# Altium PCB блок вычислительный_v1.PcbDoc (part 2 of 2)
Units mm, origin at the board's own origin, x right, y up, seen from the top; angles counter-clockwise.
Board outline 194 x 260 mm, 6 copper layers (Component Side, Internal Plane 1, int1, int2, Internal Plane 2, Bottom Layer), stack 1.48 mm thick; 497 components, 363 nets, 1593 pads, 108 vias.
Unrouted connection lines stored in the file: 717.
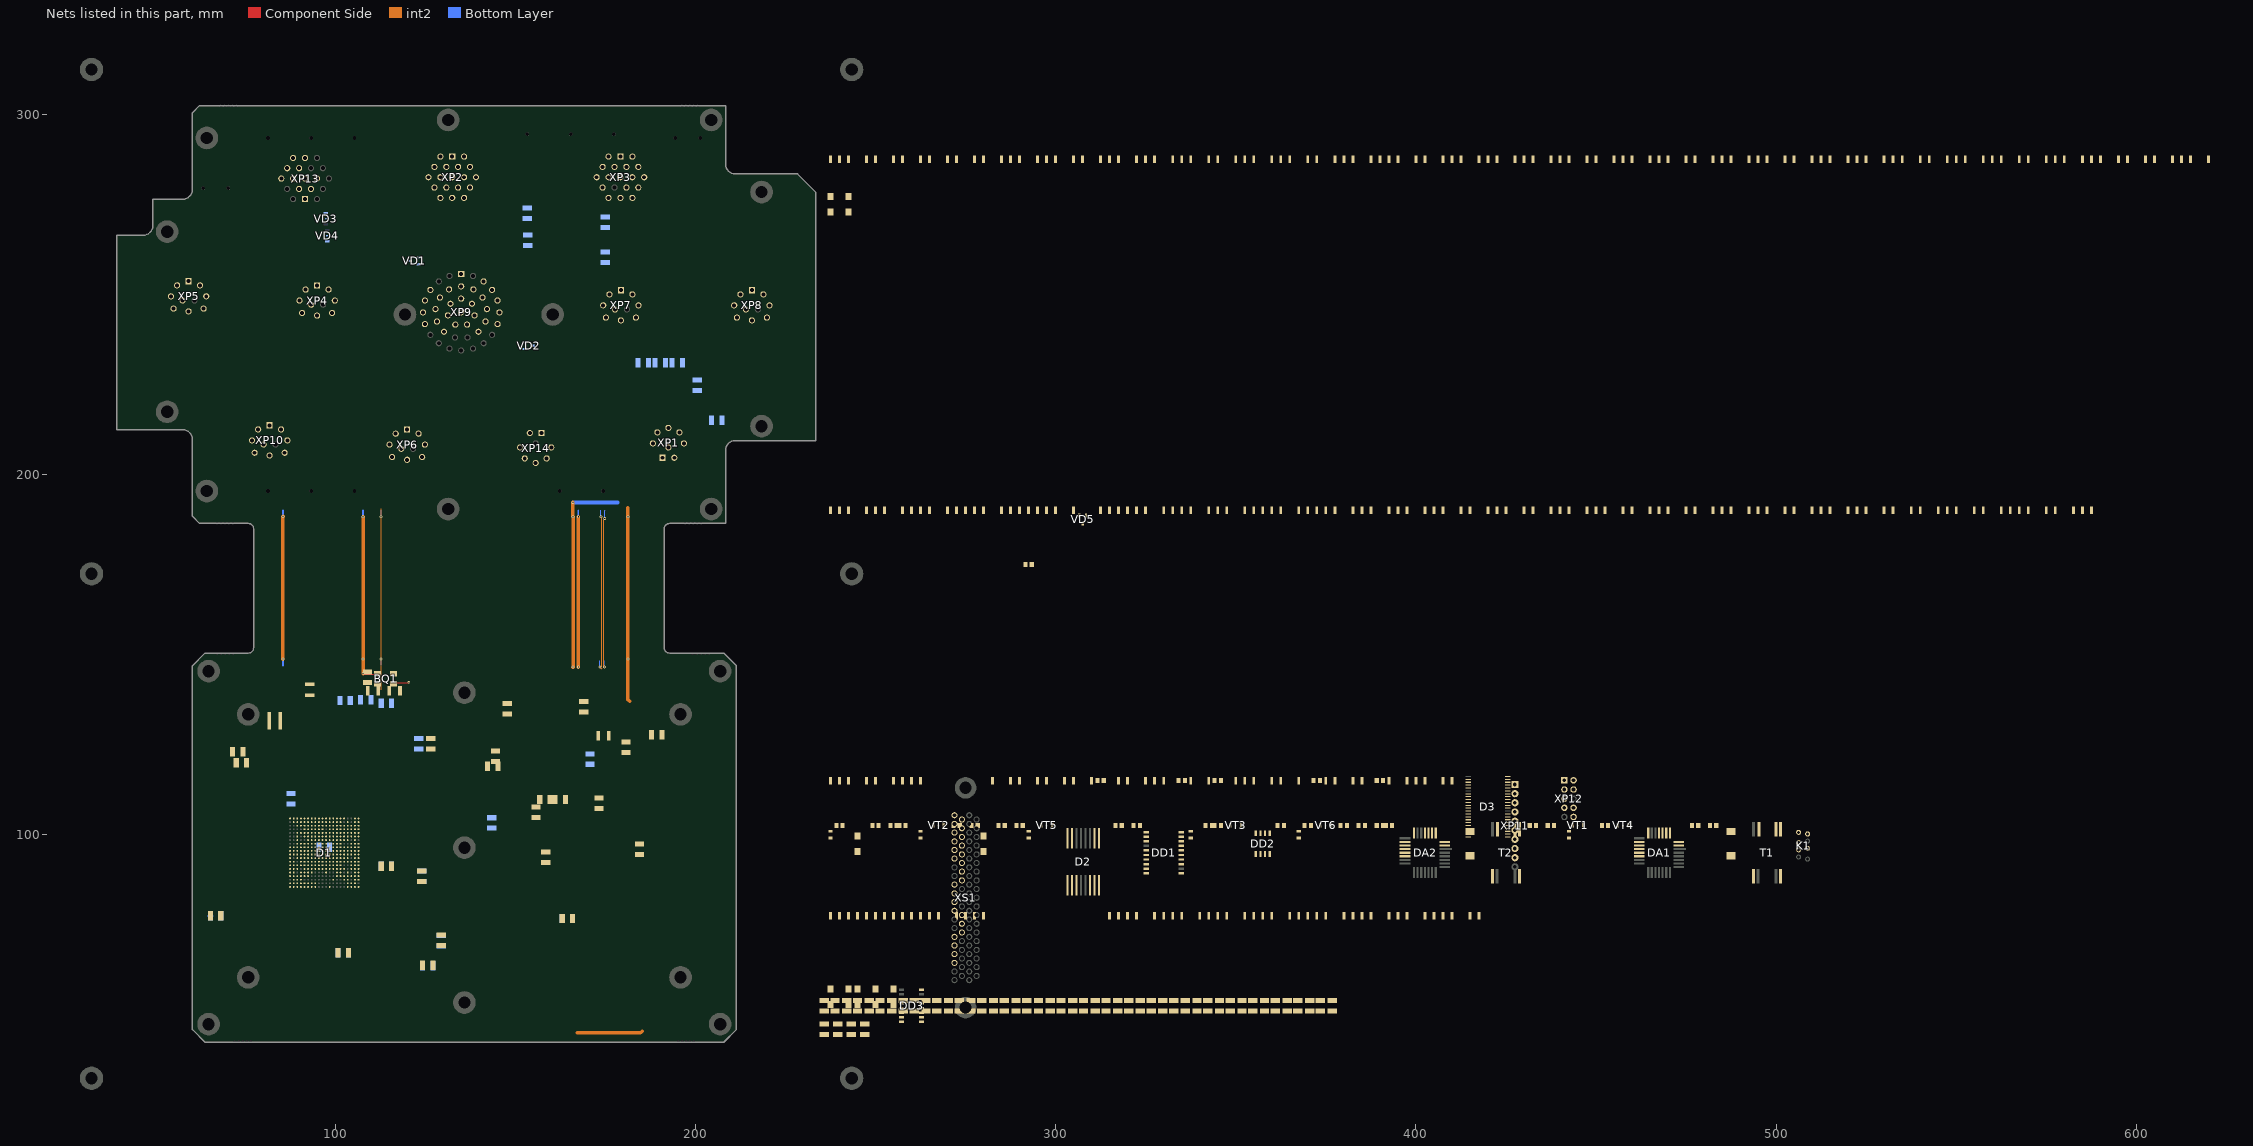
[diagram p6: the nets of this part, all layers, seen from the top]

## Part data
BQ1: library part РК463-5ДС, "Кварцевый резонатор", PartNumber="Резонатор РК463-5ДС-16,0М", TU=ТУ6321-011-07604008-07, TUHolder="\"Пьезотрон\"", TypePrefix=BQ
C1 C2: library part К53-67, "Оксидно-полупроводниковый танталовый чип-конденсатор серии К53-68", PartNumber="К53-67 \"*\"-* В-* мкФ ±*%", TU="АЖЯР.673546.006 ТУ", TUHolder="ОАО НИИ \"ГИРИКОНД\"", TypePrefix=C
C3 C4 C5 C6 C7 C8 C9 C10 C11 C12 C13 C14 C15 C16 C17 C18 C19 C20 C21 C22 C23 C24 C25 C26 C27 C29 C30 C31 C32 C33 C34 C35 C36 C37 C38 C39 C40 C41 C42 C43 C45 C46 C47 C48 C49 C50 C51 C52 C53 C54 C55 C56 C57 C58 C59 C60 C61 C62 C63 C64 C65 C66 C67 C68 C69 C70 C71 C72 C73 C74 C75 C76 C77 C78 C79 C80 C81 C82 C83 C84 C85 C86 C87 C88 C89 C90 C91 C92 C93 C94 C95 C97 C104 C105 C107: library part К10-69в-3225_0.1mk, "Конденсатор неполярный"
C28 C44: library part К10-69в-3225_15p, "Конденсатор неполярный"
C96 C98 C99 C112: library part К10-69_0.1mk, "Керамический чип-конденсатор серии К10-79", PartNumber="К10-69в-*-* В- * ± *% *", TU=АЖЯР.673511.002ТУ, TUHolder="ОАО НИИ \"ГИРИКОНД\"", TypePrefix=C
C100 C101: library part К53-68E, "Конденсатор полярный"
C102 C103: library part К10-69_0.01p, "Керамический чип-конденсатор серии К10-79", PartNumber="К10-69в-*-* В- * ± *% *", TU=АЖЯР.673511.002ТУ, TUHolder="ОАО НИИ \"ГИРИКОНД\"", TypePrefix=C
C106 C108: library part К53-68B, "Конденсатор /  полярный"
C109 C110 C111 C113 C114: library part К53-68B_0.1mk, "Конденсатор /  полярный", PartNumber="К53-68 \"C\" - 25В - 4.7мкФ ±10%", Prefix=C, TU=АЖЯР.673546.007, TUHolder="ОАО \"Элеконд\", Россия, г.Сарапул", TypePrefix=Конденсатор
D1: "МК 1921ВК028", PartNumber=1921ВК028, Prefix=D, TU=АЕНВ.431290.444ТУ, TUHolder="АО «НИИЭТ», Россия, г.Воронеж", TypeName="Микросхемы интегральные", TypePrefix=Микроконтроллер
D2: "Два селектор-мультиплексора 4-1", PackegeType=402.16-32, PartNumber=1554КП12ТБ, TU=АЕЯР.431200.182-15ТУ, TUHolder="\"Интеграл\"", TypePrefix=D
D3: "СОЗУ CY62136EV30 256КБ", PartNumber=CY62136EV30, Prefix=D, TUHolder="\"Cypress Semiconductor\",США", TypePrefix="Статическая память"
DA1 DA2: "МКИО приемопередатчик 5559ИН13Т", PartNumber=5559ИН13У1, Prefix=DA, TipeName=Приемопередатчики, TU=АЕЯР.431230.591ТУ, TUHolder="ОАО НПО \"Физика\",Россия, г. Москва", TypePrefix="Приемопердатчик МКИО"
DD1: "Микросборка CAN с гальванической развязкой", PartNumber=ADM3053BRWZ-REEL7_1, Prefix=DD, TUHolder="Analog Devices, США", TypeName=Приемопередатчики, TypePrefix=Приемопередатчик
DD2: "CAN Приемопередатчик  ILA82C251D", PartNumber=ILA82C251D, Prefix=DD, TipeName=Приемопередатчики, TUHolder="ОАО \"ИНТЕГРАЛ\", Республика Беларусь, г.Минск", TypePrefix="Приемопередатик CAN"
DD3: "RS-232 Приемопередатчик ILX3232", PartNumber=ILX3232, Prefix=DD, TUHolder="ОАО \"ИНТЕГРАЛ\", Республика Беларусь, г.Минск", TypeName=Приемопередатчики, TypePrefix="Приемопередатчик RS-232"
N1 N2 N3 N4 N5 N6 N7 N8 N9 N10 N11 N12 N13 N14 N15 N16 N17 N18 N19 N20 N21 N22 N23 N24 N25 N26 N27 N28 N29 N30 N31 N32 N33 N34 N35 N36 N37 N38 N39 N40 N41 N42 N43 N44 N45 N46 N47 N48 N49 N50 N51 N52 N53 N54 N55 N56 N57 N58 N59 N60 N61 N62 N63 N64 N65 N66 N67 N68 N69 N70 N71 N72 N73 N74 N75 N76 N77 N78 N79 N80 N81 N82 X1 X2 X3 X4 X5 X6 X7 X8 X9 X10 X11 X12 X13 X14 X15 X16 X17 X18 X19 X20 X21 X22 X23 X24 X25 X26 X27 X28 X29 X30 X31 X32 X33 X34 X35 X36 X37 X38 X39 X40 X41 X42 X43 X44 X45 X46 X47 X48 X49 X50 X51 X52 X53 X54 X55 X56 X57 X58 X59 X60 X61 X62 X63 X64 X65 X66 X67 X68 X69 X70 X71 X72 X73 X74 X75 X76 X77 X78 X79 X80 X81 X82 X83 X84 X85 X86 X87 X88 X89 X90 X91 X92 X93 X94 X95 X96 X97 X98 X99 X100 X101 X102 X103 X104 X105 X106 X107 X108 X109 X110 X111 X112 X113 X114 X115 X116 X117 X118 X119 X120 X121 X122 X123 X124 X125 X126 X127 X128 X129 X130 X131 X132 X133 X134 X135 X136 X137 X138 X139 X140 X141 X142 X143 X144 X145 X146 X147 X148 X149 X150 X151 X152 X153 X154 X155 X156 X157 X158 X159 X160 X161 X162 X163 X164 X165 X166 X167 X168 X169 X170 X171 X172 X173 X174 X175 X176 X177 X178 X179 X180 X181 X182 X183 X184 X185 X186 X187 X188 X189 X190 X191 X192 X193 X194 X195 X196 X197 X198 X199 X200 X201 X202 X203 X204 X205 X206 X207 X208 X209 X210 X211 X212 X213 X214 X215 X216 X217 X218 X219 X220 X221 X222 X223 X224 X225 X226 X227 X228: "CONT1_SMD", PartNumber="контактное поле"
R1 R2: library part Р1-12-0,5, "Резистор постоянный"
R3: library part Р1-12-0,125, "Резистор постоянный"
R4 R5 R6 R7: library part Р1-12-0,5_56, "Резистор постоянный"
R8 R9 R10 R11 R12 R13 R14 R15 R16 R17 R18 R19 R20 R21 R22 R23 R24 R25 R26 R27 R28 R29 R30 R31 R32 R33 R34: library part Р1-12_47k, "Постоянные непроволочные безвыводные резисторы общего применения Р1-12", PartNumber=Р1-12-*-*±*%-*, TU="АЛЯР.434110.005 ТУ", TUHolder="ЗАО \"РЕОМ\"", TypePrefix=R
R35: library part Р1-12_10k, "Постоянные непроволочные безвыводные резисторы общего применения Р1-12", PartNumber=Р1-12-*-*±*%-*, TU="АЛЯР.434110.005 ТУ", TUHolder="ЗАО \"РЕОМ\"", TypePrefix=R
VD1 VD2 VD5: "2Д707АС9 диод импульсный", PartNumber=2Д707АС9, TU=аА0.339.583ТУ, TUHolder="ООО \"НПК ДАЛЕКС\"", TypePrefix=VD
VD3 VD4: "Диод Шоттки", PackegeType=КТ-99-1, PartNumber=2ДШ2123Г95, TU=АЕЯР.432120.567ТУ, TUHolder="ОА ВЗПП-С", TypePrefix=VD
VT1 VT2 VT3: "npn кремниевый транзистор", PackegeType=КТ-47, PartNumber=2T665A9, TU=аА0.339.559ТУ, TUHolder="ЗАО \"Группа Кремний Эл\"", TypePrefix=Транзистор
VT4 VT5 VT6: "pnp кремниевый транзистор", PackegeType=КТ-47, PartNumber=2T664A9, TU=аА0.339.559ТУ, TUHolder="ЗАО \"Группа Кремний Эл\"", TypePrefix=Транзистор
XP1 XP14: "ВИЛКА СНЦ144-8 СОСТАВНАЯ", PartNumber=СНЦ144-8/13ВП21-NWПС, TU=ЦСНК.430421.008ТУ, TUHolder="ОАО 'Уральский завод электрических соединителей 'ИСЕТЬ', Россия, г. Каменск-Уральский", TypePrefix="Изделия соеденительные"
XP2 XP3 XP13: "ВИЛКА СНЦ144-19 СОСТАВНАЯ", PartNumber=СНЦ144-19/15ВП21-NWПС, TU=ЦСНК.430421.008ТУ, TUHolder="ОАО 'Уральский завод электрических соединителей 'ИСЕТЬ', Россия, г. Каменск-Уральский", TypePrefix="Изделия соеденительные"
XP4 XP5 XP6 XP7 XP8 XP10: "ВИЛКА СНЦ144-10 СОСТАВНАЯ", PartNumber=СНЦ144-10/13ВП21-NWПС, TU=ЦСНК.430421.008ТУ, TUHolder="ОАО 'Уральский завод электрических соединителей 'ИСЕТЬ', Россия, г. Каменск-Уральский", TypePrefix="Изделия соеденительные"
XP9: "ВИЛКА СНЦ144-41 СОСТАВНАЯ", PartNumber=СНЦ144-41/21ВП21-NWПС, TU=ЦСНК.430421.008ТУ, TUHolder="ОАО 'Уральский завод электрических соединителей 'ИСЕТЬ', Россия, г. Каменск-Уральский", TypePrefix="Изделия соеденительные"
Т1 Т2: library part ТИЛ6В, "Трансформатор для ГОСТ Р 52070-2003"
K1: TU=РВИМ.647611.008ТУ
XP12: TU=РЮМК.430420.011ТУ

## Free pads (board coordinates)
  round 6.3 hole 3.4: 1(53.375,217.4) 1(53.375,267.4) 1(64.375,195.4) 1(64.375,293.4) 1(64.875,47.4) 1(64.875,145.4) 1(75.875,60.4) 1(75.875,133.4) 1(119.375,244.4) 1(131.375,190.4) 1(131.375,298.4) 1(135.875,53.4) 1(135.875,96.4) 1(135.875,139.4) 1(160.375,244.4) 1(195.875,60.4) 1(195.875,133.4) 1(204.375,190.4) 1(204.375,298.4) 1(206.875,47.4) 1(206.875,145.4) 1(218.375,213.4) 1(218.375,278.4)
  round 1 hole 1: 1(63.375,279.4) 1(70.375,279.4) 1(81.375,195.4) 1(81.375,293.4) 1(93.375,195.4) 1(93.375,293.4) 1(105.375,195.4) 1(105.375,293.4) 1(153.375,294.4) 1(162.375,195.4) 1(165.375,294.4) 1(174.375,195.4) 1(177.375,294.4) 1(194.375,293.4) 1(201.375,293.4)
  round 6.5 hole 3.4: 2(32.375,32.4) 2(32.375,172.4) 2(32.375,312.4) 2(243.375,32.4) 2(243.375,172.4) 2(243.375,312.4)
  round 0.7 hole 0.7 unplated: 3(67.2,150.3) 3(67.2,186.5) 3(68.2,302.3) 3(68.3,150.3) 3(68.3,186.5) 3(69.3,302.3) 3(69.4,150.3) 3(69.4,186.5) 3(70.4,302.3) 3(70.5,150.3) 3(70.5,186.5) 3(71.5,302.3) 3(71.6,150.3) 3(71.6,186.5) 3(72.2,42.5) 3(72.6,302.3) 3(73.3,42.5) 3(74.4,42.5) 3(75.5,42.5) 3(76.6,42.5) 3(195.2,42.5) 3(196.2,302.3) 3(196.3,42.5) 3(197.2,186.5) 3(197.3,302.3) 3(197.4,42.5) 3(198.3,186.5) 3(198.4,302.3) 3(198.5,42.5) 3(199.2,150.3) 3(199.4,186.5) 3(199.5,302.3) 3(199.6,42.5) 3(200.3,150.3) 3(200.5,186.5) 3(200.6,302.3) 3(201.4,150.3) 3(201.6,186.5) 3(202.5,150.3) 3(203.6,150.3)

## Via types
v1: diameter 0.8, hole 0.3, Component Side to Bottom Layer, 86 vias
v2: diameter 0.7, hole 0.2, Component Side to Bottom Layer, 22 vias

## Nets (pads, with @x,y where several pads share a name; then routed paths per layer and width w, separated by ;. In a path a pad name is that pad's centre, name@x,y a point inside that pad or via, vN(x,y) a via of type N, cw(c..) or ccw(c..) an arc to the next point about the centre after c; other vN are vias at no path point)
+1.2V: C1.1 C3.1 C5.1 C6.1 C8.1 C9.1 C11.1 C12.1 C14.1 C15.1 C17.1 C18.1 C20.1 C21.1 C23.1 C24.1 C26.1 C27.1 C30.1 C31.1 C33.1 C34.1 C36.1 C37.1 C39.1 C40.1 C42.1 C45.1 C47.1 C49.1 C52.1 C55.1 C58.1 C61.1 C64.1 C67.1 C70.1 C73.1 C76.1 C79.1 C82.1 C85.1 C88.1 C91.1 C94.1 D1.B19 D1.C12 D1.C15 D1.C17 D1.E3 D1.E16 D1.E18 D1.F5 D1.H10 D1.H11 D1.H12 D1.H13 D1.J8 D1.J10 D1.J12 D1.J13 D1.K8 D1.K12 D1.K13 D1.K14 D1.L7 D1.L8 D1.L9 D1.L13 D1.M8 D1.M9 D1.M11 D1.M12 D1.M13 D1.N8 D1.N9 D1.N10 D1.N11 D1.N12 D1.N13 D1.N18 D1.R5 D1.R11 D1.S3 D1.S5 D1.S6 D1.S18 D1.T16 D1.U19 XP11.5 | length 1.6
  Bottom Layer w0.2: 64.525,77.475 66.125,77.475 66.15,77.5
+3.3V: C2.1 C4.1 C7.1 C10.1 C13.1 C16.1 C19.1 C22.1 C25.1 C29.1 C32.1 C35.1 C38.1 C41.1 C43.1 C46.1 C48.1 C50.1 C51.1 C53.1 C54.1 C56.1 C57.1 C59.1 C60.1 C62.1 C63.1 C65.1 C66.1 C68.1 C69.1 C71.1 C72.1 C74.1 C75.1 C77.1 C78.1 C80.1 C81.1 C83.1 C84.1 C86.1 C87.1 C89.1 C90.1 C92.1 C93.1 C95.1 C97.1 C102.2 C109.1 C112.1 C114.1 D1.C4 D1.C11 D1.C13 D1.C18 D1.D13 D1.D15 D1.E4 D1.E13 D1.E15 D1.E17 D1.F6 D1.F12 D1.F13 D1.F14 D1.F15 D1.G6 D1.G15 D1.H6 D1.H7 D1.H15 D1.J6 D1.J15 D1.J18 D1.K6 D1.K15 D1.L6 D1.L15 D1.M6 D1.M15 D1.N6 D1.N15 D1.P6 D1.P15 D1.Q6 D1.Q7 D1.Q8 D1.Q9 D1.Q10 D1.Q11 D1.Q12 D1.Q13 D1.Q14 D1.Q15 D1.R4 D1.R17 D1.T4 D1.T17 D2.16 D3.11 D3.33 DD1.6 DD3.16 N61.1 N62.1 R30.2 R31.2 R32.2 R33.2 R34.2 R35.2 XP11.6 XP12.7 XS1.10
+5V: C96.1 C98.1 C99.1 C100.1 C101.1 C104.1 C106.1 DA1.10 DA2.10 DD1.8 DD2.3 DD2.5 N55.1 N56.1 R1.1 R2.1 XP11.7 | length 57
  int2 w1: 181.25,190.75 v1(181.25,188.25) v1(181.25,148.75) 181.25,137.5 181.75,137
  Bottom Layer w0.5: 181.25,147.5 v1(181.25,148.75) ; v1(181.25,188.25) 181.25,190
+5VETH: N59.1 N60.1 XP11.9
+5VGD: C103.1 C105.1 C107.1 C108.1 DD1.12 DD1.19 N57.1 N58.1 XP11.8 | length 45.3
  int2 w1: v1(167.5,146.5) v1(167.5,188.25)
  Bottom Layer w0.5: v1(167.5,146.5) 167.5,148.25 ; v1(167.5,188.25) 167.5,190
+27_BU_OUT: N53.1 N54.1 VD2.3 XP11.2
+27V_BU1-1: X191.1 XP9.D
+27V_BU1-2: X192.1 XP9.E
+27V_BU1-3: X193.1 XP9.F
+27V_BU2-1: X181.1 XP9.Z
+27V_BU2-2: X182.1 XP9.mm
+27V_BU2-3: X183.1 XP9.tt
+27V_BU3-1: X196.1 XP9.S
+27V_BU3-2: X197.1 XP9.T
+27V_BU3-3: X198.1 XP9.U
+27V_BU4-1: X186.1 XP9.ii
+27V_BU4-2: X187.1 XP9.kk
+27V_BU4-3: X188.1 XP9.ss
+27V_KMPOU-K: VD5.2 X167.1 XP13.P
+27V_KMPOU-K1: X168.1 XP2.N
+27V_KMPOU-K2: X169.1 XP2.V
+27V_KMPOU-N: VD5.1 X164.1 XP13.A
+27V_KMPOU-N1: X165.1 XP3.N
+27V_KMPOU-N2: X166.1 XP3.V
+27V_UV-K1: X199.1 XP2.A
+27V_UV-K2: X200.1 XP2.P
+27V_UV-N1: X194.1 XP3.A
+27V_UV-N2: X195.1 XP3.P
+27V_VM-K1: X189.1 XP2.C
+27V_VM-K2: X190.1 XP2.L
+27V_VM-N1: X184.1 XP3.C
+27V_VM-N2: X185.1 XP3.L
-27V_BU1-1: X217.1 XP9.aa
-27V_BU1-2: X218.1 XP9.nn
-27V_BU1-3: X219.1 XP9.pp
-27V_BU2-1: X207.1 XP9.G
-27V_BU2-2: X208.1 XP9.bb
-27V_BU2-3: X209.1 XP9.cc
-27V_BU3-1: X221.1 XP9.hh
-27V_BU3-2: X222.1 XP9.qq
-27V_BU3-3: X223.1 XP9.rr
-27V_BU4-1: X212.1 XP9.R
-27V_BU4-2: X213.1 XP9.ff
-27V_BU4-3: X214.1 XP9.gg
-27V_KMPOU-K: X206.1 XP13.R
-27V_KMPOU-N: X205.1 XP13.U
-27V_UV-K1: X224.1 XP2.G
-27V_UV-N: X220.1 XP3.G
-27V_VM-K1: X215.1 XP2.R
-27V_VM-K2: X216.1 XP2.U
-27V_VM-N1: X210.1 XP3.R
-27V_VM-N2: X211.1 XP3.U
\BHE: D1.T13 D3.40
\BLE: D1.V12 D3.39
\CE: D1.V8 D2.7 D3.6
\OE: D1.V17 D3.41
\WE: D1.U17 D3.17
BOOT0: D1.P3 N23.1 N24.1 R12.2 R13.2 XS1.17
BOOT1: D1.P4 N25.1 N26.1 R14.2 XS1.18
Button_pin: N13.1 N14.1 R12.1
CAN0_RX: D1.J5 DD2.4
CAN0_TX: D1.H3 DD2.1
CAN1_RX: D1.J2 DD1.4
CAN1_TX: D1.J4 DD1.5
CAN-GND_SEG2: XP2.J XP3.E
CAN-H: DD2.7 N15.1 N16.1 XP1.G XP3.K XS1.15
CAN-H_SEG1: XP2.F XP13.F
CAN-H_SEG2: XP2.K XP3.F
CAN-L: DD2.6 N17.1 N18.1 XP1.A XP3.H XS1.16
CAN-L_SEG1: XP2.D XP13.D
CAN-L_SEG2: XP2.H XP3.D
CAN_GND_SEG1: XP2.E XP13.E
CANOPEN-H: DD1.17 N19.1 N20.1 XP14.B XP14.E | length 46.3
  int2 w0.2: v1(173.5,146.5) 174,146 ; v1@173.75,146.5 174,146.75 174,188.25 v1(173.75,188.25)
  Bottom Layer w0.2: v1(173.5,146.5) 173.5,148.25 ; v1(173.75,188.25) 173.75,190
CANOPEN-L: DD1.15 N21.1 N22.1 XP14.A XP14.C | length 46.2
  int2 w0.2: 174.5,188.15 v1(174.85,187.8) 174.5,187.45 174.5,146.5 v1(174.75,146.5)
  Bottom Layer w0.2: v1(174.75,146.5) 174.75,148.25 ; 174.75,190 174.85,189.9 v1(174.85,187.8)
EKRAN_1: X201.1 XP13.S
EKRAN_2: X202.1 XP2.S
EKRAN_3: X203.1 XP3.S
EKRAN_4: X204.1 XP1.F
ETH_1_1+: X28.1 XP7.A
ETH_1_1-: X29.1 XP7.B
ETH_1_2+: X30.1 XP7.C
ETH_1_2-: X31.1 XP7.D
ETH_1_3+: X32.1 XP7.E
ETH_1_3-: X33.1 XP7.F
ETH_1_4+: X34.1 XP7.G
ETH_1_4-: X35.1 XP7.H
ETH_2_1+: X36.1 XP8.A
ETH_2_1-: X37.1 XP8.B
ETH_2_2+: X38.1 XP8.C
ETH_2_2-: X39.1 XP8.D
ETH_2_3+: X40.1 XP8.E
ETH_2_3-: X41.1 XP8.F
ETH_2_4+: X42.1 XP8.G
ETH_2_4-: X43.1 XP8.H
ETH_3_1+: X12.1 XP5.A
ETH_3_1-: X13.1 XP5.B
ETH_3_2+: X14.1 XP5.C
ETH_3_2-: X15.1 XP5.D
ETH_3_3+: X16.1 XP5.E
ETH_3_3-: X17.1 XP5.F
ETH_3_4+: X18.1 XP5.G
ETH_3_4-: X19.1 XP5.H
ETH_4_1+: X4.1 XP4.A
ETH_4_1-: X5.1 XP4.B
ETH_4_2+: X6.1 XP4.C
ETH_4_2-: X7.1 XP4.D
ETH_4_3+: X8.1 XP4.E
ETH_4_3-: X9.1 XP4.F
ETH_4_4+: X10.1 XP4.G
ETH_4_4-: X11.1 XP4.H
ETH_5_1+: X20.1 XP6.A
ETH_5_1-: X21.1 XP6.B
ETH_5_2+: X22.1 XP6.C
ETH_5_2-: X23.1 XP6.D
ETH_5_3+: X24.1 XP6.E
ETH_5_3-: X25.1 XP6.F
ETH_5_4+: X26.1 XP6.G
ETH_5_4-: X27.1 XP6.H
ETH_6_1+: X44.1 XP10.A
ETH_6_1-: X45.1 XP10.B
ETH_6_2+: X46.1 XP10.C
ETH_6_2-: X47.1 XP10.D
ETH_6_3+: X48.1 XP10.E
ETH_6_3-: X49.1 XP10.F
ETH_6_4+: X50.1 XP10.G
ETH_6_4-: X51.1 XP10.H
ETH_TST_1+: X176.1 XS1.27
ETH_TST_1-: X177.1 XS1.28
ETH_TST_2+: X174.1 XS1.25
ETH_TST_2-: X175.1 XS1.26
ETH_TST_3+: X172.1 XS1.23
ETH_TST_3-: X173.1 XS1.24
ETH_TST_4+: X170.1 XS1.21
ETH_TST_4-: X171.1 XS1.22
EXT_A0: D1.P20 D3.5
EXT_A1: D1.N16 D3.4
EXT_A2: D1.N17 D3.3
EXT_A3: D1.N19 D3.2
EXT_A4: D1.N20 D3.1
EXT_A5: D1.M17 D3.44
EXT_A6: D1.M19 D3.43
EXT_A7: D1.M20 D3.42
EXT_A8: D1.L17 D3.27
EXT_A9: D1.L18 D3.26
EXT_A10: D1.L19 D3.25
EXT_A11: D1.L20 D3.24
EXT_A12: D1.K18 D3.22
EXT_A13: D1.K20 D3.21
EXT_A14: D1.J16 D3.20
EXT_A15: D1.J17 D3.19
EXT_A16: D1.U6 D3.18
EXT_D0: D1.S16 D3.7
EXT_D1: D1.S17 D3.8
EXT_D2: D1.U18
EXT_D3: D1.V18 D3.9
EXT_D4: D1.V19 D3.13
EXT_D5: D1.V20 D3.14
EXT_D6: D1.T20 D3.15
EXT_D7: D1.T19 D3.16
EXT_D8: D1.S20 D3.29
EXT_D9: D1.S19 D3.30
EXT_D10: D1.R20 D3.31
EXT_D11: D1.R19 D3.32
EXT_D12: D1.Q20 D3.35
EXT_D13: D1.Q19 D3.36
EXT_D14: D1.P18 D3.37
EXT_D15: D1.P19 D3.38
EXT_GND: X178.1 XS1.32
EXT_RXD: X180.1 XS1.34
EXT_SWT_RS232_RX: D2.11 N45.1 N46.1
EXT_TXD: X179.1 XS1.33
GND: BQ1.2 BQ1.4 C1.2 C2.2 C3.2 C4.2 C5.2 C6.2 C7.2 C8.2 C9.2 C10.2 C11.2 C12.2 C13.2 C14.2 C15.2 C16.2 C17.2 C18.2 C19.2 C20.2 C21.2 C22.2 C23.2 C24.2 C25.2 C26.2 C27.2 C28.2 C29.2 C30.2 C31.2 C32.2 C33.2 C34.2 C35.2 C36.2 C37.2 C38.2 C39.2 C40.2 C41.2 C42.2 C43.2 C44.2 C45.2 C46.2 C47.2 C48.2 C49.2 C50.2 C51.2 C52.2 C53.2 C54.2 C55.2 C56.2 C57.2 C58.2 C59.2 C60.2 C61.2 C62.2 C63.2 C64.2 C65.2 C66.2 C67.2 C68.2 C69.2 C70.2 C71.2 C72.2 C73.2 C74.2 C75.2 C76.2 C77.2 C78.2 C79.2 C80.2 C81.2 C82.2 C83.2 C84.2 C85.2 C86.2 C87.2 C88.2 C89.2 C90.2 C91.2 C92.2 C93.2 C94.2 C95.2 C96.2 C97.2 C98.2 C99.2 C100.2 C101.2 C102.1 C104.2 C106.2 C112.2 C113.2 C114.2 D1.A1 D1.B2 D1.C3 D1.C14 D1.D16 D1.E11 D1.E12 D1.F16 D1.F17 D1.G3 D1.G11 D1.G12 D1.G13 D1.G14 D1.G16 D1.H14 D1.J7 D1.J11 D1.J14 D1.K7 D1.K9 D1.K10 D1.K11 D1.L10 D1.L11 D1.L12 D1.L14 D1.M7 D1.M10 D1.M14 D1.N7 D1.N14 D1.P5 D1.P7 D1.P8 D1.P9 D1.P10 D1.P11 D1.P12 D1.P13 D1.P14 D1.Q5 D1.Q16 D1.Q18 D1.R6 D1.R7 D1.R14 D1.R15 D1.S14 D1.S15 D1.T2 D1.V1 D2.8 D3.12 D3.34 DA1.5 DA2.5 DD1.1 DD1.3 DD1.7 DD1.9 DD1.10 DD2.2 DD2.8 DD3.15 K1.B N3.1 N4.1 N5.1 N6.1 N7.1 N8.1 N9.1 N10.1 N11.1 N12.1 N39.1 N40.1 N41.1 N42.1 N43.1 N44.1 R3.2 R8.2 R9.2 R10.2 R11.2 R13.1 R14.1 R24.2 R25.2 R26.2 VT1.1 VT2.1 VT3.1 X225.1 XP1.H XP3.J XP11.3 XP12.8 XS1.9 Т1.2 Т2.2 | length 54.7
  Component Side w0.2: v2(107.75,144.75) 107.9,144.6 109,144.6 111.4,144.6 111.5,144.5 ; 116.65,142.15 119,142.15 120.4,142.15 v2(120.5,142.25)
  int2 w1: v2(107.75,144.75) v1(107.75,148.75) v1(107.75,188.25)
  Bottom Layer w0.5: 107.75,147 v1(107.75,148.75) ; v1(107.75,188.25) 107.75,190
GNDGD: C103.2 C105.2 C107.2 C108.2 DD1.11 DD1.13 DD1.16 DD1.20 N1.1 N2.1 XP11.4 XP14.D | length 61.8
  int2 w1: v1(166,146.5) 166.05,146.55 166.05,188.2 v1(166,188.25) v2(166,192.2) v2@166,192.25
  Bottom Layer w0.5: v1(166,146.5) 166,148.25 ; v1(166,188.25) 166,190
  Bottom Layer w1: v2(166,192.2) 178.495,192.2
GOTOV-K: VD1.2 XP2.M
GOTOV-N: VD1.1 XP3.M
INTERLOCK: D1.U8 N69.1 N70.1 R35.1 XP14.G | length 53.8
  int2 w0.2: 112.75,140.25 v1(112.75,148.75) v1(112.75,188.25) 112.75,190.5
  Bottom Layer w0.2: 112.75,147 v1(112.75,148.75) ; v1(112.75,188.25) 112.75,190
KORPUS: X226.1 XP1.B XP4.K XP5.K XP6.K XP7.K XP8.K XP9.A XP10.K XP13.G XP14.F | length 62
  int2 w1: v1(85.5,148.75) v1(85.5,188.275) v1@85.55,188.325 ; 167.25,45 184.75,45 185.215,45.465
  Bottom Layer w0.5: 85.5,147 v1(85.5,148.75) ; v1(85.5,188.275) 85.775,188.275 85.55,188.05 85.55,190
M0_A_RX: D1.K16 DA1.3
M0_A_RXN: D1.K17 DA1.4
M0_A_TX: D1.L16 DA1.15
M0_A_TXEN: D1.M16 DA1.2
M0_A_TXN: D1.K19 DA1.14
M1_A_RX: D1.A20 DA2.3
M1_A_RXN: D1.A19 DA2.4
M1_A_TX: D1.G17 DA2.15
M1_A_TXEN: D1.F3 DA2.2
M1_A_TXN: D1.F18 DA2.14
M_ED1: D2.1 R10.1
M_ED2: D2.15 R11.1
M_GOTOV: D1.U7 N63.1 N64.1 R17.1
M_PUSK: D1.V6 N67.1 N68.1 R15.1
M_SED0: D2.14 R8.1
M_SED1: D2.2 R9.1
M_SPUSKI: D1.V7 N65.1 N66.1 R16.1
M_UART0_RX: D1.H4 DD3.12 N73.1 N74.1
M_UART0_TX: D1.H5 DD3.11 N71.1 N72.1
MC1N: N77.1 N78.1 R5.2 X2.1 XP1.E
MC1P: N75.1 N76.1 R4.2 X1.1 XP1.C
MC2N: N81.1 N82.1 R7.2 X228.1
MC2P: N79.1 N80.1 R6.2 X227.1
MKIO_EKR: X3.1 XP1.D
NetC109_2: C109.2 DD3.2
NetC110_1: C110.1 DD3.1
NetC110_2: C110.2 DD3.3
NetC111_1: C111.1 DD3.4
NetC111_2: C111.2 DD3.5
NetC113_1: C113.1 DD3.6
NetD1_A2: D1.A2 X76.1
NetD1_A3: D1.A3 X80.1
NetD1_A4: D1.A4 X86.1
NetD1_A5: D1.A5 X91.1
NetD1_A6: D1.A6 X96.1
NetD1_A7: D1.A7 X74.1
NetD1_A8: D1.A8 X68.1
NetD1_A9: D1.A9 X63.1
NetD1_A10: D1.A10 X60.1
NetD1_A11: D1.A11 X163.1
NetD1_A12: D1.A12 X162.1
NetD1_A13: D1.A13 X159.1
NetD1_A14: D1.A14 X157.1
NetD1_A15: D1.A15 X153.1
NetD1_A16: D1.A16 X151.1
NetD1_B3: D1.B3 X78.1
NetD1_B4: D1.B4 X83.1
NetD1_B5: D1.B5 X88.1
NetD1_B6: D1.B6 X94.1
NetD1_B7: D1.B7 X99.1
NetD1_B8: D1.B8 X71.1
NetD1_B9: D1.B9 X65.1
NetD1_B10: D1.B10 X55.1
NetD1_B11: D1.B11 X52.1
NetD1_B12: D1.B12 X161.1
NetD1_B13: D1.B13 X158.1
NetD1_B14: D1.B14 X156.1
NetD1_B15: D1.B15 X152.1
NetD1_B17: D1.B17 X149.1
NetD1_B20: D1.B20 X148.1
NetD1_C5: D1.C5 X84.1
NetD1_C6: D1.C6 X87.1
NetD1_C7: D1.C7 X97.1
NetD1_C8: D1.C8 X69.1
NetD1_C9: D1.C9 X59.1
NetD1_C10: D1.C10 X58.1
NetD1_C16: D1.C16 X150.1
NetD1_C19: D1.C19 X146.1
NetD1_C20: D1.C20 X147.1
NetD1_D5: D1.D5 X77.1
NetD1_D6: D1.D6 X82.1
NetD1_D7: D1.D7 X90.1
NetD1_D8: D1.D8 X75.1
NetD1_D9: D1.D9 X66.1
NetD1_D10: D1.D10 X57.1
NetD1_D12: D1.D12 X160.1
NetD1_D14: D1.D14 X155.1
NetD1_D17: D1.D17 X142.1
NetD1_D18: D1.D18 X143.1
NetD1_D19: D1.D19 X144.1
NetD1_D20: D1.D20 X145.1
NetD1_E5: D1.E5 X93.1
NetD1_E6: D1.E6 X79.1
NetD1_E7: D1.E7 X85.1
NetD1_E8: D1.E8 X95.1
NetD1_E9: D1.E9 X70.1
NetD1_E10: D1.E10 X56.1
NetD1_E14: D1.E14 X154.1
NetD1_E19: D1.E19 X140.1
NetD1_E20: D1.E20 X141.1
NetD1_F7: D1.F7 X81.1
NetD1_F8: D1.F8 X92.1
NetD1_F9: D1.F9 X73.1
NetD1_F10: D1.F10 X64.1
NetD1_F11: D1.F11 X54.1
NetD1_F19: D1.F19 X138.1
NetD1_F20: D1.F20 X139.1
NetD1_G7: D1.G7 X72.1
NetD1_G8: D1.G8 X98.1
NetD1_G9: D1.G9 X61.1
NetD1_G10: D1.G10 X53.1
NetD1_G19: D1.G19 X137.1
NetD1_H8: D1.H8 X89.1
NetD1_H9: D1.H9 X67.1
NetD1_H18: D1.H18 X134.1
NetD1_H19: D1.H19 X135.1
NetD1_H20: D1.H20 X136.1
NetD1_J1: D1.J1 X101.1
NetD1_J3: D1.J3 X100.1
NetD1_J9: D1.J9 X62.1
NetD1_J19: D1.J19 X132.1
NetD1_J20: D1.J20 X133.1
NetD1_K1: D1.K1 X102.1
NetD1_K2: D1.K2 X103.1
NetD1_K3: D1.K3 X104.1
NetD1_K4: D1.K4 X105.1
NetD1_K5: D1.K5 X106.1
NetD1_L1: D1.L1 X107.1
NetD1_L2: D1.L2 X108.1
NetD1_L3: D1.L3 X109.1
NetD1_L5: D1.L5 X111.1
NetD1_M1: D1.M1 X112.1
NetD1_M3: D1.M3 X114.1
NetD1_N2: D1.N2 X113.1
NetD1_N5: D1.N5 X110.1
NetD1_P1: D1.P1 X116.1
NetD1_P2: D1.P2 X115.1
NetD1_Q2: D1.Q2 X118.1
NetD1_Q3: D1.Q3 X117.1
NetD1_R1: D1.R1 X120.1
NetD1_R2: D1.R2 X119.1
NetD1_S1: D1.S1 X122.1
NetD1_S2: D1.S2 X121.1
NetD1_S4: D1.S4 X123.1
NetD1_T3: D1.T3 X124.1
NetD1_U3: D1.U3 X125.1
NetD1_U4: D1.U4 X128.1
NetD1_U5: D1.U5 X130.1
NetD1_V2: D1.V2 X126.1
NetD1_V3: D1.V3 X127.1
NetD1_V4: D1.V4 X129.1
NetD1_V5: D1.V5 X131.1
NetDA1_6: DA1.6 DA1.13 Т1.4
NetDA1_7: DA1.7 DA1.11 Т1.1
NetDA1_12: DA1.12 R1.2
NetDA2_6: DA2.6 DA2.13 Т2.4
NetDA2_7: DA2.7 DA2.11 Т2.1
NetDA2_12: DA2.12 R2.2
NetDD1_18: DD1.18 R3.1
NetR4_1: R4.1 Т1.8
NetR5_1: R5.1 Т1.5
NetR6_1: R6.1 Т2.8
NetR7_1: R7.1 Т2.5
NetR15_2: R15.2 VT1.3
NetR16_2: R16.2 VT2.3
NetR17_2: R17.2 VT3.3
NetR18_1: R18.1 R19.2 VT4.3
NetR19_1: R19.1 VT1.2
NetR20_1: R20.1 R21.2 VT5.3
NetR21_1: R21.1 VT2.2
NetR22_1: R22.1 R23.2 VT6.3
NetR23_1: R23.1 VT3.2
NetR24_1: R24.1 VD3.2 VT4.2
NetR25_1: R25.1 VD4.2 VT5.2
NetR27_1: R27.1 VT4.1
NetR28_1: R28.1 VT5.1
NetR29_1: R29.1 VT6.1
PUSK-K: K1.13 XP13.V
PUSK-N: K1.11 XP13.N
PUSK_27V: K1.12 VD3.3 XP9.jj
RESET: D1.N4 N37.1 N38.1 XP12.10 XS1.6
RS232_ETH_RX: DD3.13 N47.1 N48.1 XS1.11
RS232_ETH_TX: D2.10 DD3.14 N49.1 N50.1 XS1.12
SPUSKI: XP2.B XP3.B
SPUSKI_27V: VD4.3 XP9.X
SWT_RS232_RX: D2.9 DD3.8 N51.1 N52.1
TCK: D1.L4 N27.1 N28.1 R30.1 XP12.1 XS1.1
TDI: D1.N1 N29.1 N30.1 R31.1 XP12.2 XS1.2
TDO: D1.Q1 N31.1 N32.1 R32.1 XP12.3 XS1.3
TMS: D1.M4 N33.1 N34.1 R33.1 XP12.4 XS1.4
TRST: D1.M5 N35.1 N36.1 R34.1 XP12.5 XS1.5
VKL_BU: VD5.3 XP9.C XP11.1
VKL_GOTOV: K1.A R26.1 VD1.3 VD2.1 VT6.2 XP9.Y
VU_27: R18.2 R20.2 R22.2 R27.2 R28.2 R29.2 XP2.T
XI_OSC: BQ1.1 C28.1 D1.U1
XO_OSC: BQ1.3 C44.1 D1.U2
pads on no net: D1.A17 D1.A18 D1.B1 D1.B16 D1.B18 D1.C1 D1.C2 D1.D1 D1.D2 D1.D3 D1.D4 D1.D11 D1.E1 D1.E2 D1.F1 D1.F2 D1.F4 D1.G1 D1.G2 D1.G4 D1.G5 D1.G18 D1.G20 D1.H1 D1.H2 D1.H16 D1.H17 D1.M2 D1.M18 D1.N3 D1.P16 D1.P17 D1.Q4 D1.Q17 D1.R3 D1.R8 D1.R9 D1.R10 D1.R12 D1.R13 D1.R16 D1.R18 D1.S7 D1.S8 D1.S9 D1.S10 D1.S11 D1.S12 D1.S13 D1.T1 D1.T5 D1.T6 D1.T7 D1.T8 D1.T9 D1.T10 D1.T11 D1.T12 D1.T14 D1.T15 D1.T18 D1.U9 D1.U10 D1.U11 D1.U12 D1.U13 D1.U14 D1.U15 D1.U16 D1.U20 D1.V9 D1.V10 D1.V11 D1.V13 D1.V14 D1.V15 D1.V16 D2.3 D2.4 D2.5 D2.6 D2.12 D2.13 D3.10 D3.23 D3.28 DA1.1 DA1.8 DA1.9 DA1.16 DA1.17 DA1.18 DA1.19 DA1.20 DA1.21 DA1.22 DA1.23 DA1.24 DA1.25 DA1.26 DA1.27 DA1.28 DA1.29 DA1.30 DA2.1 DA2.8 DA2.9 DA2.16 DA2.17 DA2.18 DA2.19 DA2.20 DA2.21 DA2.22 DA2.23 DA2.24 DA2.25 DA2.26 DA2.27 DA2.28 DA2.29 DA2.30 DD1.2 DD1.14 DD3.7 DD3.9 DD3.10 K1.2 K1.21 K1.22 VD2.2 VD3.1 VD4.1 XP3.T XP4.J XP5.J XP6.J XP7.J XP8.J XP9.B XP9.dd XP9.ee XP9.H XP9.J XP9.K XP9.L XP9.M XP9.N XP9.P XP9.V XP9.W XP10.J XP11.10 XP12.6 XP12.9 XP13.B XP13.C XP13.H XP13.J XP13.K XP13.L XP13.M XP13.T XP14.H XS1.7 XS1.8 XS1.13 XS1.14 XS1.19 XS1.20 XS1.29 XS1.30 XS1.31 XS1.35 XS1.36 XS1.37 XS1.38 XS1.39 XS1.40 XS1.41 XS1.42 XS1.43 XS1.44 XS1.45 XS1.46 XS1.47 XS1.48 XS1.49 XS1.50 XS1.51 XS1.52 XS1.53 XS1.54 XS1.55 XS1.56 XS1.57 XS1.58 XS1.59 XS1.60 XS1.61 XS1.62 XS1.63 XS1.64 XS1.65 XS1.66 XS1.67 XS1.68 XS1.69 XS1.70 XS1.71 XS1.72 XS1.73 XS1.74 XS1.75 XS1.76 XS1.77 XS1.78 XS1.79 XS1.80 Т1.3 Т1.6 Т1.7 Т2.3 Т2.6 Т2.7
copper on no net: | length 2332.3
  Component Side w0.2: 114.5,139.5 114.5,144 115,144.5 116.5,144.5 118.35,144.5 119,143.85
  int1 w0.2: 226.5,222.25 226.5,225.777 ; 227.25,221.75 227.25,227.5
  int2 w0.2: 67.25,75 67.25,80.5 67.25,89 ; v1(89.1,148.75) v1(89.1,188.25) ; v1@90.35,148.6 v1(90.5,148.75) v1(90.5,188.25) ; v1(91.75,148.75) v1(91.75,188.25) ; 92.9,137.4 94.5,139 v1(94.5,148.75) v1(94.5,188.25) ; v1(99.1,188.25) v1(99.1,148.75) 99.1,142.15 99.75,141.5 99.75,140.75 99.5,140.5 99.5,139.25 ; v1(116.35,148.75) v1(116.35,188.25) 116.35,192.1 ; 118,141.5 v1(118,148.75) v1(118,188.25) 118,192.25 ; 123,141.75 v1(123,148.75) v1(123,188.25) ; 140,137 144.5,141.5 v1(144.5,148.8) v1(144.5,188.25) 144.5,190.75 ; v1(149,146.5) v1(149,188.25) ; v1(152.5,146.5) v1(152.5,188.25) ; v1(154.25,146.5) v1(154.25,188.25) 154.25,191.75 154.85,192.35 ; v1(155.5,146.5) v1(155.5,188.25) ; 156.35,190.25 156.75,189.85 v1(156.75,188.25) v1(156.75,146.5) ; 157.1,191.4 157.5,191 157.5,189.5 v2(157.5,187.5) v2(157.5,145.5) ; 157.75,191.75 158.45,191.05 v1@158.45,188.25 ; v1(158.25,188.25) v1@158.45,188.25 ; 158.5,140.75 158.5,146.25 v1(158.25,146.5) 158.25,188.05 v1@158.45,188.25 ; 158.5,192 159.5,191 v1(159.5,188.25) v1(159.5,146.5) 159.5,141.25 ; v1(161.75,146.5) v1(161.75,188.25) 161.75,191.925 ; v1(163,146) v1(163,188.25) 163,192.25 ; v1(164.05,146.5) 164.05,188.075 v1(164.225,188.25) ; v1@164.925,187.425 v1(164.75,187.25) 164.75,146.181 165,145.931 v2(164.95,145.881) v2@165,145.832 ; v1(168.6,146) 168.5,146 169,146.5 ; v1(168.75,188.25) 169,188.5 169,146.5 ; 169,145.619 168.95,145.669 168.95,146.331 169,146.381 169,146.5 ; v1@169.5,145.75 v1(169.75,146) 169.5,146.25 169.5,187.525 v1(169.8,187.825) 169.5,188.125 ; v1(170.95,188.275) 171.175,188.5 171.175,146.925 v1(170.75,146.5) 170.85,146.5 171.175,146.175 ; 171.675,146.175 v1(172,146.5) 171.675,146.825 171.675,187.475 v1(172.025,187.825) 171.675,188.175 ; 176.25,144.618 175.95,144.918 175.7,145.169 175.7,145.831 175.809,145.941 v1(175.75,146) 175.75,146.5 176.146,146.896 176.146,188.104 v1(176,188.25) v1@176.25,188.5 ; v1(176.75,145.25) 176.646,145.353 176.646,187.273 176.648,187.273 v1(177,187.625) 176.8,187.825 176.8,188.759 176.75,188.809 ; v1(178,188.25) v1@178.25,188.25 ; v1@178.25,149.275 v1(178,149.525) 178.25,149.775 v1@178.25,188.25 ; 178.25,188.75 v1@178.25,188.25 ; 178.75,193 178.75,188.631 179.131,188.25 v1(179.25,188.25) ; v1(179.083,148.581) 178.75,148.915 178.75,187.525 v1@179.25,188.025 ; v1(180,149.5) 180.05,149.5 180.15,149.4 v1(180.15,187.511) 180.15,190.781 ; 182.25,190.25 182.25,188.5 v2(182.3,188.5) v2(182.3,149.5) 182.3,138.95 183.5,137.75 ; 185,137.3 183,139.3 v2(183,148.75) v2(183,187.75) 183,189.75 186.025,192.775 191.841,192.775 ; 185.75,137.75 184,139.5 v1(184,149.25) v1(184,188.25) 184,188.5 187.75,192.25 192,192.25 ; 186.75,138 185,139.75 v1(185,148.75) v1(185,187.75) 185,188.5 188.15,191.65 192.4,191.65 ; 187.75,138.5 186,140.25 v1(186,149.25) v1(186,188.25) 188.625,190.875 192.875,190.875 ; 189.5,138.25 187.25,140.5 v1(187.25,148.75) v1(187.25,187.75) 187.242,187.758 187.242,188.392 188.95,190.1 193.35,190.1 ; 190.5,138.5 188.25,140.75 v1(188.25,149.25) 188.25,188 v1(188.5,188.25) 188.5,188.65 189.125,189.275 193.775,189.275
  int2 w1: 78.75,148.75 78.75,188.5 ; v2(83.5,148.75) v1(83.5,188.25) ; v2(87.5,148.75) v2(87.5,188.25) ; v2(119.25,148.75) v2(119.25,188.25) ; 125.75,148.75 125.75,188.5 ; 143,149 143,188.75 ; 144.05,137.55 146.5,140 v1(146.5,148.75) v1(146.5,188.25) ; v2(150.75,146.5) v2(150.75,188) ; 189.75,148.5 189.75,188.25
  Bottom Layer w0.2: 64,79.75 63.75,79.5 63.75,77 64.275,76.475 ; 64.5,73.5 65.875,73.5 ; 67.25,80.5 67.25,80.75 ; 81.5,147 v2(81.5,148.75) ; v2(81.5,188.25) 81.5,190 ; 89.1,147 v1(89.1,148.75) ; v1(89.1,188.25) 89.1,190 ; 90.5,147 v1(90.5,148.75) ; v1(90.5,188.25) 90.5,190 ; 91.75,147 v1(91.75,148.75) ; v1(91.75,188.25) 91.75,190 ; 94.5,147 v1(94.5,148.75) ; v1(94.5,188.25) 94.5,190 ; 99.1,147 v1(99.1,148.75) ; v1(99.1,188.25) 99.1,190 ; 116.35,147 v1(116.35,148.75) ; v1(116.35,188.25) 116.35,190 ; 118,147 v1(118,148.75) ; v1(118,188.25) 118,190 ; 123,147 v1(123,148.75) ; v1(123,188.25) 123,190 ; 144.5,147 v1(144.5,148.8) ; v1(144.5,188.25) 144.5,190 ; v1(149,146.5) 149,148.25 ; v1(149,188.25) 149,190 ; v1(152.5,146.5) 152.5,148.25 ; v1(152.5,188.25) 152.5,190 ; v1(154.25,146.5) 154.25,148.25 ; v1(154.25,188.25) 154.25,190 ; v1(155.5,146.5) 155.5,148.25 ; v1(155.5,188.25) 155.5,190 ; 156.5,148.25 156.5,147 156.75,146.75 v1(156.75,146.5) ; 156.5,190 156.5,188.5 v1(156.75,188.25) ; v2@157.5,145.5 157.5,148.25 ; v2(157.5,187.5) 157.5,190 ; v1(158.25,146.5) 158.45,146.7 158.45,148.25 ; v1(158.25,188.25) 158.5,188.5 158.5,190 ; v1(159.5,146.5) 159.5,148.25 ; v1(159.5,188.25) 159.5,190 ; v1(161.75,146.5) 161.75,148.25 ; v1(161.75,188.25) 161.75,190 ; v1(163,146) 163,148.25 ; v1(163,188.25) 163,190 ; 164,148.25 164,146.55 v1(164.05,146.5) ; 164,190 164,188.75 164.225,188.525 v1(164.225,188.25) ; v1(164.75,187.25) 164.75,187.5 165,187.75 165,190 ; v2(164.95,145.881) 164.95,148.2 165,148.25 ; v1(168.6,146) 168.6,146.85 168.75,147 168.75,147.749 168.6,147.9 ; v1(168.75,188.25) 168.75,190 ; v1(169.75,146) 169.75,148.25 ; 169.75,190 169.8,189.95 v1(169.8,187.825) ; v1(170.75,146.5) 170.75,148.25 ; v1(170.95,188.275) 171,188.325 171,190 ; v1(172,146.5) 172,148.25 ; 172,190 172.025,189.975 v1(172.025,187.825) ; v1(175.75,146) 175.75,148.25 ; v1(176,188.25) 176,190 ; v1(176.75,145.25) 177,145.5 177,147 ; v1(177,187.625) 177,190 ; 178,147 v1(178,149.525) ; v1(178,188.25) 178.25,188.5 178.25,190 ; 179,147 179,148.498 v1(179.083,148.581) ; v1(179.25,188.25) 179.25,190 ; 180,147 v1(180,149.5) ; v1(180.15,187.511) 180.15,190 ; 182.125,190 182.125,188.675 v2(182.3,188.5) v2@182.25,188.5 ; 182.25,147 182.25,149.45 v2(182.3,149.5) ; v2(183,148.75) 183.125,148.625 183.125,147 ; v2(183,187.75) 183,190 ; 184,147 v1(184,149.25) ; v1(184,188.25) 184,190 ; 185,147 v1(185,148.75) ; v1(185,187.75) 185,190 ; 186,147 v1(186,149.25) ; v1(186,188.25) 186.25,188.5 186.25,190 ; 187.25,147 v1(187.25,148.75) ; v1(187.25,187.75) 187.25,188.518 187.5,188.768 187.5,190 ; 188.25,147 v1(188.25,149.25) ; v1(188.5,188.25) 188.75,188.5 188.75,190 ; 197.675,298 197.675,295.075 v2(197.75,295) ; v2(199.25,296) 199.25,298
  Bottom Layer w0.5: 83.5,147.25 v2(83.5,148.75) ; v1(83.5,188.25) 83.5,190 ; 87.5,147 v2(87.5,148.75) ; v2(87.5,188.25) 87.5,190 ; 119.25,147 v2(119.25,148.75) ; v2(119.25,188.25) 119.25,190 ; 146.5,147.5 v1(146.5,148.75) ; v1(146.5,188.25) 146.5,190 ; v2(150.75,146.5) 150.75,148.25 ; v2(150.75,188) 150.75,190 ; v2(196,296) 196,298

## Polygon pours and split planes (outlines as drawn)
GND on int1 "gnd-No Net" (hatched 90Degree grid 0.5 track 0.2, pour order 2): 142.75,147.75 142.75,189.5 190.25,189.5 190.25,147.75
GND on int1 "gnd-No Net" (hatched 90Degree grid 0.5 track 0.2, pour order 0): 78.25,189.5 126.275,189.5 126.275,147.75 78.25,147.75
GND on Internal Plane 1 (split plane): 444 vertices, not listed, extent 40.177,185.552 232.573,301.598
GND on Internal Plane 1 (split plane): 165 vertices, not listed, extent 61.177,43.202 210.573,151.25
+1.2V on Internal Plane 2 (split plane): 444 vertices, not listed, extent 40.177,185.552 232.573,301.598
+1.2V on Internal Plane 2 (split plane): 165 vertices, not listed, extent 61.177,43.202 210.573,151.25

## Silkscreen, mask and mechanical layers (free items; w line width, h text height)
Mechanical 4:
  drawing of 438 lines, arcs and shapes, not listed
Mechanical 5:
  drawing of 494 lines, arcs and shapes, not listed
Mechanical 6:
  text "1. Плата гибко-жесткая" at 265.125,215.725 h3
  text "2. Количество металлизированных слоев 6" at 265.125,211.475 h3
  text "3. Толщина жесткой части платы 1,5±0,15мм" at 265.125,207.475 h3
  text "4. Толщина гибкой части платы 0,16 max" at 265.125,203.475 h3
  text "5. Толщина фольги - 18 мкм" at 265.125,199.225 h3
  text "6. Класс точности 4" at 265.125,195.225 h3
  text "7. Переходные отверстия сквозные" at 265.125,191.225 h3
  text "8. Защитная маска с 2-х сторон" at 265.125,187.225 h3
  text "9. Маркировка шелкографией отсутствует" at 265,183 h3
  text "Описание файлов : / 1. ПКГН.687265.001Т5М.GTS - верхняя маска / 2. ПКГН.687265.001Т5М.GTL - 1 слой металлизации / 3. ПКГН.687265.001Т5М.GP1 - 2 слой металлизации (плоскость) / 4. ПКГН.687265.001Т5М.G1 - 3 слой металлизации / 5. ПКГН.687265.001Т5М.G2 - 4 слой металлизации / 6. ПКГН.687265.001Т5М.GP2 - 5 слой металлизации (плоскость) / 7. ПКГН.687265.001Т5М.GBL - 6 слой металлизации / 8. ПКГН.687265.001Т5М.GBS - нижняя маска /  / ПКГН.687265.001Т5М.GTP - верхний слой паяльной пасты / ПКГН.687265.001Т5М.GBP - нижний слой паяльной пасты /  / ПКГН.687265.001Т5М.GM4 - контур жесткой части платы / ПКГН.687265.001Т5М.GM5 - контур гибкой части платы / ПКГН.687265.001Т5М.GM6 - это описание / ПКГН.687265.001Т5М.DRR - описание сверловки / ПКГН.687265.001Т5М-Plated.TXT - металлизированные отв. / ПКГН.687265.001Т5М-NonPlated.TXT - неметаллизированные отв. / Pick Place for ПКГН.687265.001Т5М.txt - координаты элементов" at 264.75,138.25 h2.5
Mechanical 10:
  the board outline again, w0.25
Drill Drawing:
  circle w0.254: c278.056,273.48 r0.508
  circle w0.254: c278.056,273.48 r0.847
  circle w0.254: c278.056,262.05 r0.847
  lines w0.254: 277.209,257.817 277.633,257.817 278.056,257.394 278.479,257.817 278.903,257.817 278.479,258.24 278.903,258.663 278.479,258.663 278.056,259.087 277.633,258.663 277.209,258.663 277.633,258.24 277.209,257.817 ; 277.209,265.014 278.903,265.014 278.903,266.707 277.209,266.707 277.209,265.014 ; 277.209,270.517 278.903,270.517 278.056,268.824 277.209,270.517 ; 277.209,276.867 277.633,276.867 277.633,276.444 278.479,276.444 278.479,276.867 278.903,276.867 278.903,277.713 278.479,277.713 278.479,278.137 277.633,278.137 277.633,277.713 277.209,277.713 277.209,276.867 ; 277.209,280.254 278.056,280.677 278.903,280.254 278.479,281.1 278.903,281.947 278.056,281.523 277.209,281.947 277.633,281.1 277.209,280.254 ; 277.548,257.986 277.802,257.986 278.056,257.732 278.31,257.986 278.564,257.986 278.31,258.24 278.564,258.494 278.31,258.494 278.056,258.748 277.802,258.494 277.548,258.494 277.802,258.24 277.548,257.986 ; 277.548,277.036 277.802,277.036 277.802,276.782 278.31,276.782 278.31,277.036 278.564,277.036 278.564,277.544 278.31,277.544 278.31,277.798 277.802,277.798 277.802,277.544 277.548,277.544 277.548,277.036 ; 277.548,280.592 278.056,280.846 278.564,280.592 278.31,281.1 278.564,281.608 278.056,281.354 277.548,281.608 277.802,281.1 277.548,280.592
  lines w0.381: 275.691,256.251 339.378,256.251 ; 275.691,282.921 339.378,282.921 ; 289.683,252.441 289.683,286.731 ; 304.919,252.441 304.919,286.731 ; 323.253,252.441 323.253,286.731 ; 275.691,252.441 339.378,252.441 339.378,286.731 275.691,286.731 275.691,252.441
  text "Symbol" at 277.977,284.064 h1.83
  text "Count" at 290.826,284.064 h1.83
  text "Hole Size" at 306.062,284.064 h1.83
  text "Via/Pad" at 324.396,284.064 h1.83
  text "22" at 290.826,280.254 h1.52
  text "0.200mm" at 306.062,280.254 h1.52
  text "Via" at 324.396,280.254 h1.52
  text "86" at 290.826,276.444 h1.52
  text "0.300mm" at 306.062,276.444 h1.52
  text "Via" at 324.396,276.444 h1.52
  text "40" at 290.826,272.634 h1.52
  text "0.700mm" at 306.062,272.634 h1.52
  text "Pad" at 324.396,272.634 h1.52
  text "8" at 290.826,268.824 h1.52
  text "0.800mm" at 306.062,268.824 h1.52
  text "Pad" at 324.396,268.824 h1.52
  text "35" at 290.826,265.014 h1.52
  text "1.000mm" at 306.062,265.014 h1.52
  text "Pad" at 324.396,265.014 h1.52
  text "252" at 290.826,261.204 h1.52
  text "1.100mm" at 306.062,261.204 h1.52
  text "Pad" at 324.396,261.204 h1.52
  text "31" at 290.826,257.394 h1.52
  text "3.400mm" at 306.062,257.394 h1.52
  text "Pad" at 324.396,257.394 h1.52
  text "474 Total" at 290.826,253.584 h1.52

## Text inside footprints (layer, text, board x,y; h text height)
D1: Mechanical 15 "REF" at 95.8,94.5 h1